# KiCad board Beacon_Multiboard.kicad_pcb (continued)
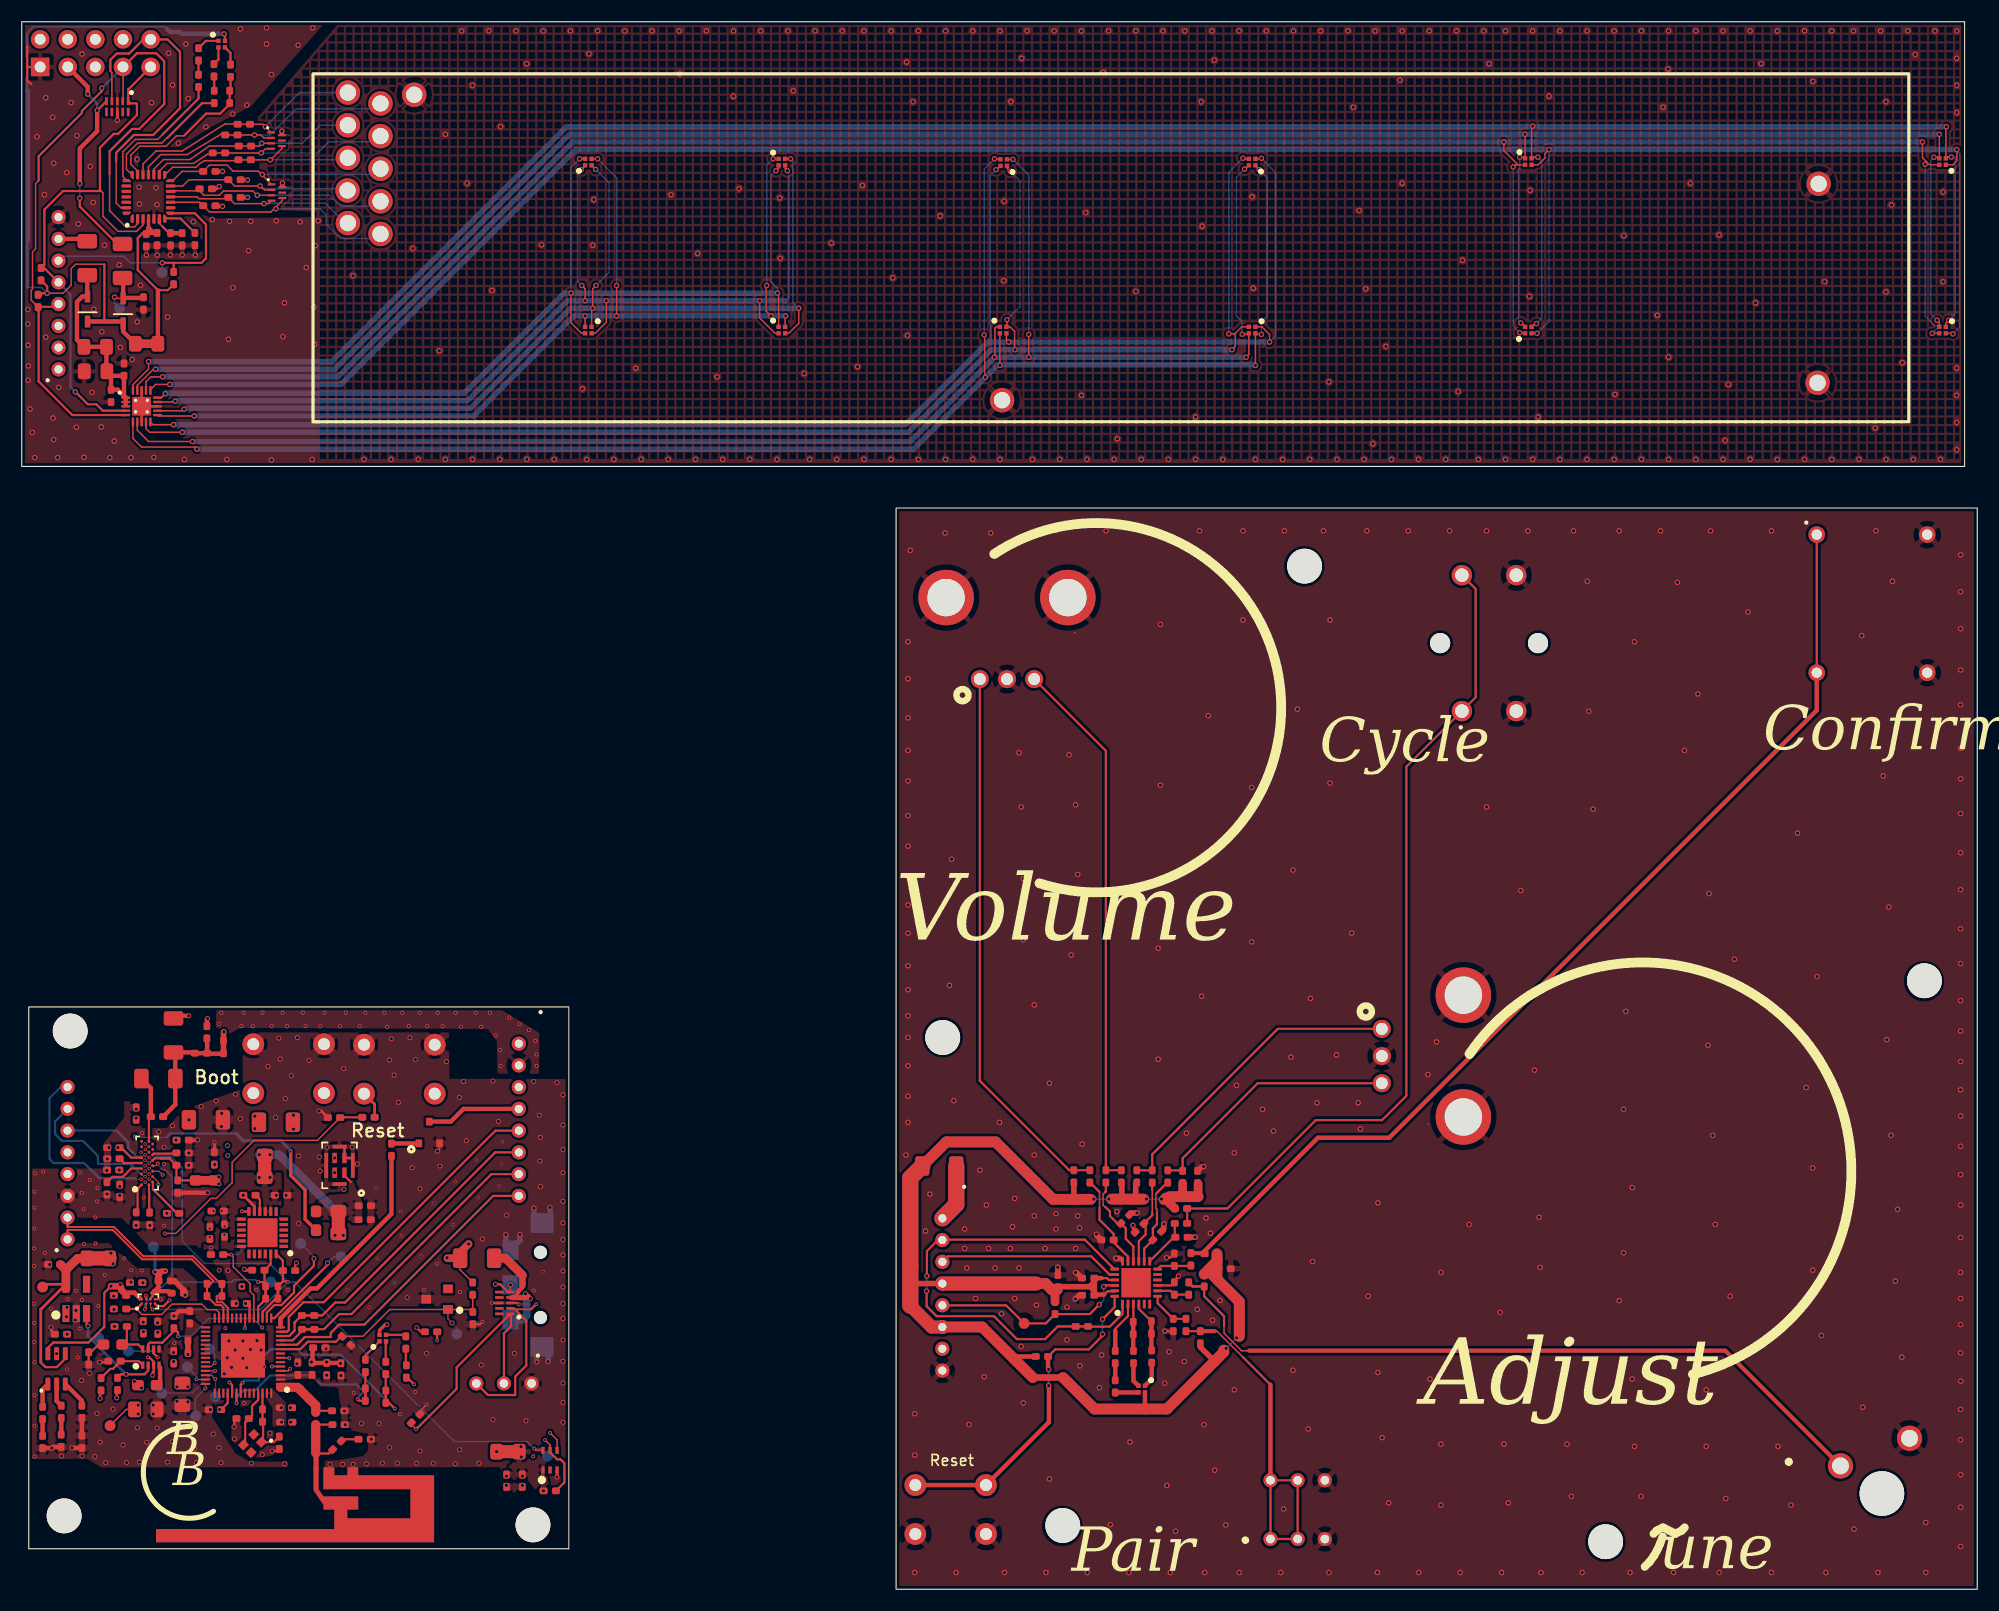
[diagram p0: board, top side]
## Routing (per net, layer and track width the routed paths; a pad name or vN(x,y) marks a point on that pad's centre or on a via; arc(x,y) is an arc through that point) (continued)
/Fret_Assembly/BLED: length 12.8
  Top w0.13: 12.95,133.8 12.5,133.34 10.44,133.34 9.3,132.2 9.3,129.93 U402.22
  Top w0.2: R408.1 16.26,137.1 12.95,133.8
/Fret_Assembly/GLED: length 12.1
  Top w0.127: U402.21 9.63,130.59 9.63,131.97 10.66,133 12.87,133 13.34,133.47
  Top w0.2: R406.1 16.59,136.67 13.39,133.47
/Fret_Assembly/I2C1_SCLK: length 51.7
  Top w0.13: 7.29,128.59 7.47,128.41 7.47,126.28 8.87,124.88 10.55,124.88 11.16,125.48 U402.3
  Top w0.2: v1(4.93,110.12) 6.07,108.98 6.86,108.98 7.45,108.39 U401.4 ; J102.5 2.06,121.51 R401.1 2.08,121.82 2.08,126.89 3.78,128.59 7.29,128.59 7.19,128.69 7.19,132.58 8.46,133.85 8.87,133.85 10.59,135.57 10.59,136.59 10.53,136.65 10,136.65 D415.1 9.79,137.92 11.86,139.99
  Bottom w0.2: v1(4.93,110.12) 4.47,110.58 4.47,119.1 J102.5
/Fret_Assembly/I2C1_SDA: length 71.6
  Top w0.13: U402.2 10.66,125.58 10.36,125.29 9.58,125.29 8.08,126.79 8.08,130.19 ; 1.55,129.55 1.27,129.27 1.27,123.28 0.99,123 0.99,119.58 0.87,119.46 0.87,118.54 R402.1 ; 9.32,139.99 9.32,136.89 D415.2
  Top w0.2: U401.5 4.65,107.99 1.55,111.09 1.55,117.71 1.78,117.94 3.13,117.94 J102.4 ; v1(7.37,138.06) 7.37,137.78 5.54,135.95 5.54,135.78 1.55,131.79 1.55,129.55 ; 9.32,139.99 10.59,141.26 12.37,141.26 13.11,140.53 13.11,136.59 10.82,134.3 10.14,134.3 8.08,132.25 8.08,130.19
  Bottom w0.2: 9.32,139.99 7.39,138.06 v1(7.37,138.06)
/Fret_Assembly/LEDA1: length 152.2
  Top w0.13: D401.3 89.51,131.5 v1(89.46,131.55) ; v1(16.11,104.85) 15.93,105.04 11.03,105.04 10.23,105.84 U401.6 ; v1(114.01,115.4) 113.56,115.4 D404.4 v1(113.46,112.55) ; v1(88.51,115.35) 88.56,115.3 88.56,111.5 v1(88.61,111.45) ; D403.1 113.46,130.9 v1(113.81,130.55) ; D402.2 v1(89.96,112.55)
  Bottom w0.13: v1(113.81,130.55) 114.56,129.8 114.56,117.1 114.01,116.55 v1(114.01,115.4) ; v1(89.46,131.55) 88.51,130.6 v1(88.51,115.35)
  Bottom w0.5: v1(113.46,112.55) 113.41,112.6 89.76,112.6 v1(88.61,111.45) 82.01,104.85 v1(16.11,104.85)
/Fret_Assembly/LEDA2: length 148.2
  Top w0.13: v1(89.45,113.3) 89.51,113.36 89.51,115.02 89.5,115.04 89.5,115.97 89.63,116.1 D402.1 ; v1(112.46,130.6) 112.51,130.6 D403.4 ; v1(112.61,113.3) 112.86,113.55 D404.3 112.77,115.42 v1(112.25,115.42) ; v1(92.61,115.4) v1(92.61,113.3) ; v1(15.71,105.55) 11.66,105.55 10.63,106.59 U401.7 ; D401.2 v1(91.16,131.5)
  Bottom w0.13: v1(92.61,115.4) 92.61,130.05 v1(91.16,131.5) ; v1(112.46,130.6) 111.71,129.85 111.71,117.1 112.21,116.6 112.21,115.45 v1(112.25,115.42)
  Bottom w0.5: v1(112.61,113.3) 89.45,113.3 81.7,105.55 v1(15.71,105.55)
/Fret_Assembly/LEDA3: length 143.2
  Top w0.13: v1(112.31,131.6) 112.36,131.55 D403.3 ; v1(90.91,130.4) 90.61,130.7 D401.1 ; v1(91.36,114) 91.31,114.05 91.31,115.68 90.89,116.1 D402.4 90.61,116.15 v1(90.61,116.75) ; v1(14.76,106.4) 11.76,106.4 11.43,106.74 U401.9 ; 111.61,115.5 111.56,115.45 v1(111.01,115.45) ; 111.61,115.5 111.61,114.3 v1(111.31,114) ; 111.61,115.5 112.21,116.1 D404.2
  Bottom w0.13: v1(90.61,116.75) 91.81,117.95 91.81,129.5 v1(90.91,130.4) ; v1(111.01,115.45) 111.01,130.3 v1(112.31,131.6)
  Bottom w0.5: v1(14.76,106.4) 81.56,106.4 89.16,114 v1(111.31,114)
/Fret_Assembly/LEDA4: length 144.2
  Top w0.13: v1(114.76,114.7) 114.76,115.4 114.06,116.1 D404.1 ; D402.3 90.56,114.9 v1(90.76,114.7) ; D403.2 113.96,131.55 v1(114.01,131.6) ; v1(89.61,130.55) 89.66,130.55 D401.4 ; v1(13.96,107.1) 12.08,107.1 U401.10
  Bottom w0.13: v1(114.01,131.6) 115.31,130.3 115.31,115.25 v1(114.76,114.7) ; 89.11,114.7 89.11,116.4 89.06,116.45 89.06,130 v1(89.61,130.55)
  Bottom w0.5: v1(114.76,114.7) 88.86,114.7 81.26,107.1 v1(13.96,107.1)
/Fret_Assembly/LEDB1: length 94.8
  Top w0.13: D405.3 v1(52.96,131.55) ; D408.4 70.21,117.05 v1(70.26,117.1) ; D406.2 v1(51.81,117.1) ; U401.11 12.57,107.9 v1(15.86,107.9) ; v1(54.71,119.9) v1(54.71,117.1) ; D407.1 v1(69.11,131.55) ; v1(68.51,119.9) 68.46,119.85 68.46,117.54 v1(68.9,117.1)
  Bottom w0.13: v1(68.51,119.9) 68.51,130.95 v1(69.11,131.55) ; v1(54.71,119.9) 54.71,129.8 v1(52.96,131.55)
  Bottom w0.5: v1(70.26,117.1) 50.76,117.1 41.56,107.9 v1(15.86,107.9)
/Fret_Assembly/LEDB2: length 96.8
  Top w0.13: U401.12 14.8,108.39 v1(14.94,108.53) ; v1(52.81,119.9) 52.51,119.6 v1(52.51,117.8) 52.41,117.7 D406.1 ; D408.3 70.54,115.5 71.46,116.42 v1(71.46,117.8) ; v1(70.71,131.55) D407.4 ; v1(52.79,130.58) D405.2
  Bottom w0.13: v1(52.81,119.9) 54.01,121.1 54.01,129.35 v1(52.79,130.58) ; v1(70.71,131.55) 70.93,131.34 70.93,118.34 71.56,117.7
  Bottom w0.5: v1(14.94,108.53) 15.01,108.6 41.27,108.6 50.47,117.8 v1(71.46,117.8)
/Fret_Assembly/LEDB3: length 95.1
  Top w0.13: v1(51.46,130.55) 51.81,130.9 D405.1 ; v1(51.51,119.9) 51.81,119.6 v1(51.81,118.5) ; D408.2 69.28,115.5 67.86,116.92 v1(67.86,118.5) ; D407.3 70.21,130.65 v1(70.41,130.45) ; U401.14 14.05,109.19 v1(14.11,109.25) ; D406.4 52.74,115.5 53.76,116.52 v1(53.76,118.5)
  Bottom w0.13: v1(51.46,130.55) 51.11,130.2 51.11,120.3 v1(51.51,119.9) ; 70.26,118.5 70.56,118.8 70.56,130.3 v1(70.41,130.45)
  Bottom w0.5: 70.26,118.5 50.18,118.5 40.98,109.3 14.16,109.3 v1(14.11,109.25)
/Fret_Assembly/LEDB4: length 94.1
  Top w0.13: v1(13.21,109.95) 12.85,109.59 U401.15 ; v1(69.51,119.2) 69.61,119.1 D408.1 ; D407.2 69.61,130.7 v1(69.36,130.45) ; v1(50.51,119.2) 50.51,116.47 51.48,115.5 D406.3 ; v1(51.31,131.55) D405.4
  Bottom w0.13: v1(51.31,131.55) 50.51,130.75 v1(50.51,119.2) ; v1(69.51,119.2) 69.51,119.63 68.91,120.23 68.91,130 v1(69.36,130.45)
  Bottom w0.5: v1(13.21,109.95) 13.26,110 40.69,110 49.89,119.2 v1(69.51,119.2)
/Fret_Assembly/LEDC1: length 215.8
  Top w0.13: v1(140.46,132.4) 140.09,132.03 140.09,131.63 139.46,131 D409.3 ; v1(177.61,115.45) 177.56,115.5 D412.4 ; v1(139.36,115.5) D410.2 ; v1(177.96,132.4) 177.98,132.39 177.98,131.37 177.61,131 D411.1 ; U401.16 11.83,110.32 12.31,110.8 v1(13.61,110.8)
  Bottom w0.13: v1(140.46,132.4) 140.46,116.6 v1(139.36,115.5) ; v1(177.61,115.45) 178.21,116.05 178.21,132.1 177.96,132.35 v1(177.96,132.4)
  Bottom w0.5: v1(177.96,132.4) 50.96,132.4 29.36,110.8 v1(13.61,110.8)
/Fret_Assembly/LEDC2: length 214
  Top w0.13: v1(175.06,131.05) 175.06,131.2 175.16,131.3 ; U401.17 11.43,111.05 11.88,111.5 v1(12.96,111.5) ; 175.16,131.3 175.46,131 D411.4 ; 175.16,131.3 174.81,131.65 v1(174.81,133.1) ; 137.61,131 136.31,132.3 v1(136.31,133.1) ; 137.61,131 137.36,131 v1(137.16,130.8) ; 137.61,131 D409.2 ; D412.3 v1(175.71,115.5) ; v1(137.76,115.55) 137.81,115.5 D410.1
  Bottom w0.13: v1(137.16,130.8) 137.16,116.15 v1(137.76,115.55) ; v1(175.06,131.05) 175.06,117.08 175.95,116.19 176.4,116.19 v1(175.71,115.5)
  Bottom w0.5: v1(174.81,133.1) 50.67,133.1 29.07,111.5 v1(12.96,111.5)
/Fret_Assembly/LEDC3: length 213.2
  Top w0.13: v1(137.86,116.45) 137.91,116.45 D410.4 ; v1(12.31,112.2) 12.11,112.2 10.63,110.72 U401.19 ; v1(176.16,116.7) 176.36,116.5 D412.2 ; v1(175.86,131.7) 176.26,131.7 D411.3 v1(176.36,133.8) ; v1(138.26,133.8) D409.1 138.16,131.7 v1(137.76,131.7)
  Bottom w0.13: v1(137.86,116.45) 137.66,116.65 137.66,130.58 137.76,130.68 v1(137.76,131.7) ; v1(176.16,116.7) 175.56,117.3 175.56,130.83 175.58,130.84 175.58,131.27 175.56,131.28 175.56,131.4 v1(175.86,131.7)
  Bottom w0.5: v1(12.31,112.2) 28.78,112.2 50.38,133.8 v1(176.36,133.8)
/Fret_Assembly/LEDC4: length 217.2
  Top w0.13: U401.20 10.23,110.79 11.66,112.22 v1(11.66,112.9) ; v1(177.01,134.5) 176.96,134.45 D411.2 177.06,131.7 v1(177.46,131.7) ; v1(138.96,134.55) 138.86,134.45 D409.4 138.96,131.7 v1(139.44,131.7) ; v1(139.31,116.4) 139.16,116.4 D410.3 ; v1(177.21,116.7) 176.96,116.45 D412.1
  Bottom w0.13: v1(177.21,116.7) 177.81,117.3 177.81,131.7 v1(177.46,131.7) ; v1(139.44,131.7) 139.72,131.42 139.72,131.27 139.81,131.18 139.81,116.9 v1(139.31,116.4)
  Bottom w0.5: v1(11.66,112.9) 28.49,112.9 50.09,134.5 v1(177.01,134.5)
/Fret_Assembly/RLED: length 15.6
  Top w0.13: U402.20 10.65,130.43 10.03,131.05 10.03,131.89 10.85,132.7 13.26,132.7 14.22,133.66 14.92,133.66
  Top w0.2: R403.1 19.2,137.88 J409.2 J409.1 19.13,136.59 18.25,135.71 16.96,135.71 14.92,133.66
/Fret_Assembly/RX0: length 22.7
  Top w0.13: D418.5 23.97,127.72 22.92,126.67 17.26,126.67 C406.2 16.38,127.55 U402.10
  Bottom w0.13: H411.1 32.58,124.22 29.31,124.22 28.01,125.52 28.01,126.37 27.42,126.96 v1(23.37,126.96)
/Fret_Assembly/RX1: length 18.2
  Top w0.13: U402.11 16.13,128.05 16.29,127.89 18.88,127.89 C410.2 19.57,127.43 v1(22.28,127.43) 22.7,127.43 D418.4
  Bottom w0.13: H413.1 29.72,125.64 27.89,127.48 22.32,127.48 v1(22.28,127.43)
/Fret_Assembly/RX2: length 22
  Top w0.13: D418.3 v1(21.66,128.2) 21.27,128.59 18.55,128.59 18.16,128.2 16.76,128.2 16.36,128.6 C411.2 16.13,128.79 15.95,128.61 13.75,128.61 U402.12
  Bottom w0.13: H415.1 32.54,127.18 29.32,127.18 28.31,128.2 v1(21.66,128.2)
/Fret_Assembly/RX3: length 18.1
  Top w0.13: D418.2 22.33,128.7 21.97,129.06 v1(21.92,129.06) 19.57,129.06 C412.2 15.38,129.63 14.8,129.05 U402.13
  Bottom w0.13: H417.1 29.8,128.81 22.17,128.81 v1(21.92,129.06)
/Fret_Assembly/RX4: length 21.7
  Top w0.13: U402.14 13.91,129.56 14.74,130.39 C413.2 17.26,130.97 18.89,130.97 19.44,130.42 21.75,130.42 D418.1
  Bottom w0.13: v1(22.12,130.11) 32.46,130.11 H423.1
/Fret_Assembly/TOUCH_INT: length 23
  Top w0.2: R409.2 13.97,121.98 ; 13.97,121.98 16.54,121.98 16.94,122.39 16.94,125.52 15.91,126.55 U402.8 ; 13.97,121.98 v1(12.93,121.98)
  Bottom w0.13: J102.6 3.79,122.59 9.37,122.59 9.98,121.98 v1(12.93,121.98) 12.93,121.16 TP401.1 12.88,120.89
/Fret_Assembly/TOUCH_PROGM: length 30
  Top w0.13: 8.69,131.31 8.69,127.48 9.12,127.05 U402.27 ; D415.4 8.29,139.48 8.15,139.61
  Top w0.2: 8.69,131.31 8.69,132.12 10.31,133.75 12.09,133.75 14.55,136.21 14.55,141.39 13.41,142.53 11.18,142.53 9.88,141.24 8.73,141.24 8.15,140.66 8.15,139.61
/Fret_Assembly/TX0: length 23.2
  Top w0.13: U402.19 11.15,131.08 12.34,132.27 14.77,132.27 14.8,132.3 18.69,134.76 19.83,134.76 J402.1 J402.2 22.17,134.74 D416.1
  Bottom w0.13: v1(22.4,134.51) 25.54,137.64 H401.1
/Fret_Assembly/TX1: length 25.9
  Top w0.13: 15.21,131.94 18.3,133.8 18.65,133.8 J403.1 J403.2 v1(21.41,133.74) 22,133.74 22.26,133.48 D416.2 ; U402.18 11.65,130.82 12.78,131.94 15.22,131.94
  Bottom w0.13: v1(21.41,133.74) 22.84,133.74 25.24,136.14 32.5,136.14 H402.1
/Fret_Assembly/TX2: length 20.7
  Top w0.13: U402.17 12.15,130.61 13.03,131.48 15.47,131.48 17.24,132.73 J405.1 J405.2 21.82,132.73 22.07,132.98 v1(22.07,132.98) D416.3
  Bottom w0.13: H403.1 27.47,134.64 25.81,132.98 v1(22.07,132.98)
/Fret_Assembly/TX3: length 23
  Top w0.13: U402.16 12.65,130.43 13.35,131.13 15.8,131.13 17.09,131.98 17.45,131.98 J406.1 J406.2 v1(22.02,132.09) 22.41,132.48 D416.4
  Bottom w0.13: H404.1 32.48,133.12 28.24,133.12 27.21,132.09 v1(22.02,132.09)
/Fret_Assembly/TX4: length 19.2
  Top w0.13: U402.15 13.87,130.77 16.03,130.77 16.35,131.09 16.79,131.38 19.86,131.38 J407.1 J407.2 v1(22.86,131.46) 22.89,131.46 23.93,132.5 D416.5
  Bottom w0.13: H405.1 29.83,131.47 22.88,131.47 v1(22.86,131.46)
/Main_Board/AMB_INT: length 33.4
  Top w0.13: U1101.5 48.59,13.27 v3(48.13,13.72) ; v3(24.61,21.24) 24.56,21.29 U701.7
  Top w0.2: R1101.1 49.9,9.82 49.9,11.6 49.55,11.94 49.24,11.94 48.59,12.59 U1101.5
  In2.Cu w0.13: v3(48.13,13.72) 35.99,13.72 29.51,20.2 26.51,20.2 25.47,21.24 v3(24.61,21.24)
/Main_Board/AUDIO_GND_SEN: length 13.1
  Bottom w0.09: v5(11.35,37.95) 11.24,38.06 11.07,38.06 10.82,38.31
  Bottom w0.2: J106.7 3.07,43.04 3.07,41.87 3.71,41.23 5.63,41.23 7.01,39.86 7.01,39.2 7.08,39.12 10,39.12 10.82,38.31
/Main_Board/AUDIO_HP: length 16.8
  Bottom w0.09: v5(10.97,37.69) 10.54,37.69 10.44,37.8
  Bottom w0.2: J106.8 3.58,46.18 2.56,45.17 2.56,39.58 2.94,39.2 5.74,39.2 7.13,37.8 10.44,37.8
/Main_Board/AUDIO_PU: length 43.1
  Top w0.25: J605.2 17.1,49.25 ; 15.84,49.37 J605.1
  Top w0.4: C610.1 14.13,49.2 C607.2 14.13,44.58 C608.2 ; C610.1 15.84,49.37 ; C610.1 14.03,49.3 ; 17.05,50.63 J605.2 J605.1 ; 17.1,49.25 18.56,49.25
  Top w0.5: v2(18.59,51.28) 18.56,51.24 J604.2 J604.1
  In2.Cu w0.3: 43.46,52.43 19.77,52.43
  In2.Cu w0.4: 19.77,52.43 18.62,51.28 v2(18.59,51.28) ; J101.1 43.46,52.43
/Main_Board/AUDIO_SP: length 8.5
  Bottom w0.09: 10.44,39.94 10.54,39.83 11.23,39.83 v5(11.35,39.95)
  Bottom w0.2: 10.44,39.94 9.8,40.57 9.8,41.1 8.72,42.18 J106.6
/Main_Board/BAT_MEASURE: length 23.6
  Top w0.09: v2(39.57,24.49) 39.2,24.86 D503.1
  Top w0.13: R509.1 41.48,25.51 R510.2 41.26,25.73 D503.1 33.85,25.73 31.38,23.26 C508.2
  Top w0.2: 29.42,23.3 28.89,22.76 26.31,22.76 25.63,22.09 U701.9
  Bottom w0.09: v2(39.57,24.49) 40.01,24.05 TP505.1 39.88,23.34
/Main_Board/BAT_NINT: length 10.7
  Top w0.13: U701.27 18.15,25.45 17.88,25.71 17.07,25.71 16.56,26.22 13.81,26.22 12.87,25.27 11.06,25.27 10.55,25.78
  Top w0.2: R507.1 10.55,25.78 PS502.A1
/Main_Board/I2C0_SCLK: length 67.3
  Top w0.09: U601.D8 12.32,38.95 v3(12.52,39.15) ; PS502.B1 11.45,25.86 v3(11.33,25.74)
  Top w0.13: v3(48.59,14.38) 49.24,13.73 U1101.4
  Top w0.2: 22.43,27.9 22.39,27.9 22.33,27.96 22.33,28.25 ; 22.33,28.25 v3(21.74,28.25) ; 22.33,28.25 R701.1 22.9,29.92 U1001.23 ; U701.18 21.75,25.99 22.43,26.67
  Top w0.25: J703.2 J703.1
  In2.Cu w0.13: v3(48.59,14.38) 48.56,14.41 37.54,14.41 25.45,26.5 23.49,26.5 v3(21.74,28.25)
  Bottom w0.09: v3(12.52,39.15) 12.52,38.98 12.91,38.59 12.98,38.59
  Bottom w0.11: 12.98,38.59 13.18,38.59
  Bottom w0.13: 13.84,28.25 13.84,37.93 13.18,38.59 ; 13.84,28.25 13.36,28.25 11.33,26.22 v3(11.33,25.74) ; 13.84,28.25 19.31,28.25 19.5,28.45 21.54,28.45 v3(21.74,28.25) TP708.1
/Main_Board/I2C0_SDA: length 74.7
  Top w0.09: PS502.C1 11.85,25.93 v3(12.04,25.74)
  Top w0.13: v3(47.14,12.93) 47.3,12.77 U1101.6
  Top w0.2: v3(24.48,28.25) 24.42,28.31 24.02,28.31 ; 23.57,26.67 23.3,26.67 22.15,25.52 U701.17 ; 24.02,28.31 23.6,27.9 23.57,27.9 ; 24.02,28.31 R702.1 24.02,30.22 U1001.24
  Top w0.25: J704.2 J704.1
  Bottom w0.13: v3(24.48,28.25) 22.78,29.95 16.81,29.95 14.75,32.01 14.75,38.77 13.71,39.81 12.37,39.81 11.76,39.2 ; v3(24.48,28.25) 25.12,28.25 39.77,13.6 46.48,13.6 v3(47.14,12.93) 47.67,12.93 TP709.1 ; v3(24.48,28.25) 21.97,25.74 v3(12.04,25.74)
  vias: v5(11.72,39.2)
/Main_Board/I2C1_BCLK: length 19.4
  Top w0.2: U701.15 23.23,24.94 28.12,29.82 v2(28.12,30)
  In2.Cu w0.2: v2(28.78,39.66) 29.51,38.93 29.51,37.8 28.12,36.4 v2(28.12,30)
  Bottom w0.13: TP702.1 28.7,30.59 v2(28.12,30)
/Main_Board/I2C1_MISO: length 18.3
  Top w0.2: v2(26.87,30.41) 26.87,29.75 25.04,27.92 25.04,27.3 23.88,26.14 23.25,26.14 23.24,26.15 22.55,25.45 U701.16
  In2.Cu w0.2: v2(28.78,38.31) 28.75,38.31 26.87,36.43 v2(26.87,30.41)
  Bottom w0.13: TP704.1 26.87,30.59 v2(26.87,30.41)
/Main_Board/I2C1_SCLK: length 29.3
  Top w0.2: J101.6 43.55,40.18 29.74,26.37 28.83,26.37 27.65,25.2 26.96,25.2 ; 25.74,25.18 25.09,24.54 25.09,23.78 24.61,23.3 24.43,23.3 24.42,23.29 U701.12
  Top w0.25: J705.2 J705.1
/Main_Board/I2C1_SDA: length 28.3
  Top w0.2: U701.11 24.91,22.89 25.74,23.72 25.74,23.91 ; 26.97,23.92 27.8,23.92 29.18,25.3 30.32,25.3 43.2,38.18 J101.7
  Top w0.25: J706.1 J706.2
/Main_Board/I2S0_BCLK: length 25.4
  Top w0.09: U701.42 16.9,18.48 v3(16.89,18.47) ; v3(12.57,37.22) 12.57,37.43 12.05,37.95 U601.D4
  In2.Cu w0.09: v3(16.89,18.47) 16.28,18.47 15.47,19.28 15.47,20.66 15.77,20.96 15.77,27.18 14.04,28.91 14.04,35.74 v3(12.57,37.22)
  Bottom w0.13: TP705.1 15.95,16.01 15.95,17.53 v3(16.89,18.47)
/Main_Board/I2S0_MCLK: length 24.9
  Top w0.09: U701.38 17.42,20.49 v3(17.75,20.82)
  In2.Cu w0.09: U601.C11 13.42,39.7 16.38,36.73 16.38,30.33 17.83,28.89 17.83,20.9 v3(17.75,20.82)
  Bottom w0.13: v3(17.75,20.82) 17.75,21.62 TP701.1
  vias: v5(11.73,39.7)
/Main_Board/I2S0_MISO: length 28.6
  Top w0.09: v3(17.78,20.08) 17.77,20.09 U701.39
  In2.Cu w0.09: v3(17.78,20.08) 17.29,20.57 17.29,28.52 15.8,30.02 15.8,36.09 13.19,38.7 U601.C7
  Bottom w0.09: TP706.1 15.67,18.04 17.71,20.08 v3(17.78,20.08)
  vias: v5(11.73,38.7)
/Main_Board/I2S0_MOSI: length 23.5
  Top w0.09: U701.41 16.1,19.29 v3(16.08,19.31)
  In2.Cu w0.09: U601.C5 12.23,38.2 14.58,35.85 14.58,29.27 16.3,27.54 16.3,20.58 16.08,20.35 v3(16.08,19.31)
  Bottom w0.13: TP707.1 16.08,19.59 v3(16.08,19.31)
  vias: v5(11.73,38.2)
/Main_Board/I2S0_WCLK: length 24.5
  Top w0.09: v3(12.96,38.11) 12.62,38.45 U601.D6 ; v3(17.8,19.35) 17.46,19.69 U701.40
  In2.Cu w0.09: v3(17.8,19.35) 16.79,20.36 16.79,28.01 15.21,29.58 15.21,35.86 v3(12.96,38.11)
  Bottom w0.13: TP703.1 17.83,19.32 v3(17.8,19.35)
/Main_Board/IMU_INT: length 15.7
  Top w0.13: U701.19 21.35,27.04 21,27.39 21,28.1 19.45,29.65 19.45,30.6 v3(19.28,30.78)
  Top w0.2: v3(20.24,34.77) 20.27,34.74 U1001.12 ; v3(19.28,30.78) R1001.2
  In2.Cu w0.2: v3(20.24,34.77) 20.24,32.63 19.28,31.67 v3(19.28,30.78)
  Bottom w0.09: v3(19.28,30.78) 19.9,30.78 TP1001.1
/Main_Board/MCU/uC_XTAL_N: length 5.1
  Top w0.2: U701.53 21.75,17.41 21.18,16.85 21.18,15.99 C711.2 20.55,15.36 20.55,13.4
/Main_Board/MCU/uC_XTAL_P: length 6.5
  Top w0.2: 22.05,13.51 22.15,13.61 ; C710.2 23.18,13.53 22.07,13.53 22.2,13.66 22.2,15.36 J702.2 J702.1 ; U701.54 22.15,16.56
/Main_Board/Regulators/BAT_P: length 60.6
  Top w0.13: R509.2 40.32,29.37 F501.2 40.32,30.98 ; 12.88,29.27 12.76,29.15 12.73,29.18 ; 39.15,30.45 v2(39.11,30.49)
  Top w0.2: PS502.C2 11.85,26.77 12.04,26.96 12.04,27.25
  Top w0.4: 12.58,28.32 12.58,27.79 12.04,27.25 12.2,27.41 13.5,27.41 13.78,27.13
  Top w0.5: 12.73,29.18 v2(12.25,29.18) ; 12.88,29.27 v3(13.21,29.27)
  Top w0.6: 12.76,29.15 12.58,28.97 C506.2
  Top w0.7: 40.32,30.98 v2(41.09,31.76) ; F501.2 39.15,30.45
  In2.Cu w0.6: v2(41.09,31.76) 40.38,31.76 39.95,31.32 ; v2(39.11,30.49) 39.95,31.32 ; 39.95,31.32 32.18,39.1 32.18,40.8 31.26,41.71 26.85,41.71 26.18,41.05 19.68,41.05 19,40.37 18.92,40.44 v2(18.92,40.8) 18.95,40.77 v2(18.95,39.88)
  In3.Cu w0.09: 12.34,29.27 v2(12.25,29.18)
  In3.Cu w0.13: 18.92,39.91 v2(18.95,39.88)
  In3.Cu w0.6: 18.97,40.32 17.52,40.32 16.43,39.22 16.43,38.28 15.64,37.5 15.64,31.71 v3(13.21,29.27) ; v2(18.92,40.8) 18.92,39.91
  In3.Cu w1: v3(13.21,29.27) 12.34,29.27
  Bottom w0.25: TP503.1 12.25,31.34 v2(12.25,29.18)
/Main_Board/Regulators/BAT_TS: length 36
  Top w0.13: D507.5 44.93,27.97 v2(44.95,27.99)
  Top w0.2: v3(13.59,26.57) 13.05,26.04 12.48,26.04 PS502.D1 ; v2(43.56,28.05) 44.02,28.05 44.73,27.33 D507.5
  In2.Cu w0.2: v2(18.16,29.34) 18.77,28.73 20.85,28.73 21.28,29.17 42.44,29.17 v2(43.56,28.05)
  In3.Cu w0.2: v3(13.59,26.57) 16.35,29.34 v2(18.16,29.34)
/Main_Board/Regulators/MODE: length 3.9
  Top w0.2: R502.1 9.67,22.94 R504.2 10.7,22.51 PS501.8
/Main_Board/Regulators/SYS_PWR: length 37.3
  Top w0.2: R506.2 36.7,23.68 v2(36.32,24.06) ; v3(12.49,21.33) 12.13,21.7 PS501.6 ; PS502.B2 11.45,26.95 v3(11.4,26.99)
  In2.Cu w0.13: v3(18.72,24.01) 18.72,26.5 19.38,27.16 19.38,27.87 19.94,28.43 21.23,28.43 21.51,28.71 31.67,28.71 v2(36.32,24.06)
  In3.Cu w0.13: v3(12.49,21.33) 12.49,20.99 13.46,20.02 15.19,20.02 18.72,23.55 v3(18.72,24.01)
  Bottom w0.13: v3(12.49,21.33) 11.92,21.9 TP502.1
  vias: v2(8.53,24.17) v2(11.15,28.19) v2(11.19,23.69) v2(12.51,23.64)
/Main_Board/Regulators/VSET: length 4.6
  Top w0.2: PS501.1 10.75,20.98 R503.2 8.38,20.26 8.13,20.26 R501.1
/Main_Board/STAT_B: length 18.9
  Top w0.2: U701.48 19.75,18.03 v3(19.75,17.12) ; v3(30.9,17.47) 31.04,17.34 J802.2 ; 31.6,18.49 31.6,18.49 R805.1
  Top w0.25: J802.1 J802.2
  Bottom w0.2: v3(30.9,17.47) 30.9,17.6 31.45,18.15 30.75,18.85 27.5,18.85 26.68,19.67 22.85,19.67 21.48,18.3 20.43,18.3 19.75,17.62 v3(19.75,17.12)
/Main_Board/STAT_G: length 23.3
  Top w0.2: 33.48,18.29 33.47,18.29 R803.1 ; U701.49 20.15,18.84 v3(20.3,19) ; v3(34.3,16.62) 33.79,17.14 J801.2
  Top w0.25: J801.1 J801.2
  Bottom w0.2: v3(20.3,19) 20.5,19.2 21.8,19.2 21.8,20.97 22.9,22.07 25.33,22.07 25.83,21.57 29.35,21.57 v3(34.3,16.62)
/Main_Board/STAT_R: length 19.7
  Top w0.2: v3(19.1,19.02) 19.35,18.78 U701.47 ; R802.1 35.46,19.46 v3(36.08,18.85)
  In3.Cu w0.2: v3(19.1,19.02) 19.75,19.67 26.75,19.67 27.63,18.8 29.73,18.8 29.78,18.85 v3(36.08,18.85)
/Main_Board/TACT_NINT: length 27.8
  Top w0.2: J101.8 43.36,36.18 31.52,24.34 29.18,24.34 28.42,23.58 28.42,23.2 26.03,23.2 25.32,22.49 U701.10
/Main_Board/TACT_VIBRT: length 20.3
  Top w0.09: U701.14 23.8,24.16
  Top w0.4: 23.8,24.7 23.8,24.9 26.57,27.67 27.15,27.67 34,34.51 34,39.01 ; 23.8,24.64 23.8,24.16 ; R1301.1 34,39.04
/Main_Board/TACT_VIBRT_EXT: length 8.7
  Top w0.4: Q1301.D 39.46,43.01 40.63,44.18 J101.4
/Main_Board/TOUCH_INT: length 30.3
  Top w0.2: U701.13 24.42,23.69 24.56,23.82 24.56,25.05 25.91,26.4 27.78,26.4 43.57,42.18 J101.5
/Main_Board/uC_BOOT: length 35.4
  Top w0.13: v3(23,20.49) U701.5
  In3.Cu w0.13: 21.32,46.56 27.82,46.56 26.31,45.05 26.31,36.18 23.01,32.87 23.01,20.5 v3(23,20.49)
/Main_Board/uC_EN: length 39.5
  Top w0.13: U701.4 24.5,20.09 v3(24.69,20.28)
  Top w0.25: R804.1 32.45,44.61 SW802.1
  In3.Cu w0.13: 37.94,46.5 31.44,46.5 31.44,30.38 24.18,23.12 24.18,20.78 v3(24.69,20.28)
/Main_Board/uC_LNA: length 6.3
  Top w0.2: L801.2 27.17,16.41 C803.2
  Top w0.25: 25.37,18.57 25.06,18.57
  Top w0.84: 25.37,18.57 J804.2 J804.1 27.04,16.91 L801.2 ; 25.06,18.57 23.8,18.57 ; 25.45,18.5 25.54,18.4
/Main_Board/USB_DN: length 21.5
  Top w0.09: 18.3,28.08 J1609.1
  Top w0.178: U701.25 18.95,25.89 18.43,26.4 17.96,26.4 17.93,26.44 17.93,26.93 17.94,26.94 J1609.2 J1609.1 ; 18.3,28.08 15.75,30.63 11.18,30.63 8.49,33.32 4.26,33.32
  Top w0.2: J106.2 4.21,33.37 4.25,33.33 4.26,33.33
/Main_Board/USB_DP: length 21
  Top w0.178: 17.36,28.09 17.63,28.36 15.64,30.35 11.06,30.35 8.37,33.04 4.26,33.04 ; J1610.1 J1610.2 17.04,26.95 17.85,26.14 18.32,26.14 18.55,25.91 18.55,24.91
  Top w0.2: J106.1 4.21,32.99 4.26,33.04 ; 17.36,28.09 J1610.1
/Tactile_Board/I2C1_SCLK: length 45.1
  Top w0.2: U1501.1 101.24,25.32 100.06,24.15 98.09,24.15 J1501.2 J1501.1 95.29,24.17 94.12,23 91.53,23 89.42,25.11 84.14,25.11 83.22,26.03 v1(83.22,27.42) ; v1(83.25,28.81) 83.25,31.11 84.26,32.12 J104.2 84.7,32.15 97.78,32.15 100.48,29.44 U1501.19
  Bottom w0.2: v1(83.25,28.81) 83.22,28.79 v1(83.22,27.42)
/Tactile_Board/I2C1_SDA: length 16.8
  Top w0.2: J104.3 85.18,30.62 98.36,30.62 100.04,28.94 U1501.20
/Tactile_Board/IO_Expander/TACT_B: length 4.7
  Top w0.2: J1503.2 103.9,24.64 102.74,25.8 U1501.4 ; 103.9,22 R1506.1
  Top w0.4: 103.9,22 J1503.1 J1503.2
/Tactile_Board/IO_Expander/TACT_CONFIRM: length 3.2
  Top w0.2: U1501.12 104.75,29.73 C1402.2 107.49,29.73 R1406.2
/Tactile_Board/IO_Expander/TACT_CYCLE: length 4.6
  Top w0.2: R1405.2 106.05,32.43 C1401.2 105.95,32.38 U1501.13
/Tactile_Board/IO_Expander/TACT_EQZR_A: length 7.9
  Top w0.13: 103.97,36.74 103.97,34.64
  Top w0.2: 103.97,34.64 103.97,34.41 C1407.2 103.36,33.48 103.36,32.63 102.74,32.01 U1501.15 ; 103.97,36.74 R1415.1
/Tactile_Board/IO_Expander/TACT_EQZR_B: length 8.2
  Top w0.13: 104.37,36.44 104.3,36.37 104.3,35.04 104.41,34.94 104.41,34.69
  Top w0.2: U1501.14 103.24,31.34 C1408.2 104.03,33.19 104.41,33.57 104.41,34.69 ; 104.37,36.44 105.33,37.4 R1416.1
/Tactile_Board/IO_Expander/TACT_G: length 4.3
  Top w0.2: 102.22,21.94 R1505.1 ; U1501.3 102.24,24.61 J1502.2
  Top w0.4: J1502.2 J1502.1 102.22,21.94
/Tactile_Board/IO_Expander/TACT_PAIR: length 3.9
  Top w0.2: U1501.7 104.47,26.31 C1403.2 107.15,24.87
/Tactile_Board/IO_Expander/TACT_R: length 4.8
  Top w0.2: 100.57,23.77 100.57,23.95 101.74,25.12 U1501.2
  Top w0.4: 100.57,23.77 R1504.1
/Tactile_Board/IO_Expander/TACT_TUNE: length 3
  Top w0.2: R1408.2 107.32,27.09 C1404.2 105.65,27.44 U1501.8
/Tactile_Board/IO_Expander/TACT_VOLUME_A: length 8.7
  Top w0.13: 99.12,36.54 99.12,35.12
  Top w0.2: 99.12,36.54 98.26,37.4 R1413.1 ; U1501.17 101.74,30.59 100.43,31.9 C1405.2 100.43,32.67 99.12,33.98 99.12,35.12
/Tactile_Board/IO_Expander/TACT_VOLUME_B: length 8.7
  Top w0.13: 99.71,35.12 99.66,35.12 99.45,35.32 99.45,36.34 99.61,36.49
  Top w0.2: R1414.1 99.71,36.59 99.61,36.49 ; U1501.16 102.24,31.52 101.54,32.22 101.54,33.2 C1406.2 100.77,33.65 100.09,34.33 100.09,34.74 99.71,35.12
/Tactile_Board/TACT_NINT: length 18.7
  Top w0.2: v1(99.5,27.83) 99.62,27.94 U1501.22 ; v1(99.1,26.18) 98.23,25.31 R1501.1 94.18,24.45 TP1501.1 90.52,26.12 J104.5
  Bottom w0.13: v1(99.5,27.83) 99.5,26.58 v1(99.1,26.18)
Net-(AE801-Pad1): length 7.4
  Top w0.2: C802.2 27.04,15.14 L801.1 ; L802.2 28.24,12.49 27.07,12.49
  Top w0.25: 27.04,12.54 J803.1
  Top w0.381: 27.04,13.73 27.07,13.73
  Top w0.46: J803.1 AE801.1
  Top w0.84: 27.04,12.54 L801.1
Net-(C804-Pad2): length 1.6
  Top w0.2: L802.1 29.55,13.8 C804.2
Net-(D414-A): length 6.1
  Top w0.13: D414.2 8.65,118.72 v1(8.53,118.84)
  Top w0.4: 9.33,120.83 9.33,118.76 11.04,118.76 11.2,118.92
  Bottom w0.13: TP403.1 8.53,118.27 v1(8.53,118.84)
Net-(D417-Pad1): length 2.1
  Top w0.2: R407.2 16.93,142.4 D417.1
Net-(D417-Pad2): length 1.7
  Top w0.2: D417.2 18.09,140.68 R405.2
Net-(D417-Pad3): length 1.8
  Top w0.2: D417.3 19.2,141.29 R403.2
Net-(D501-Pad1): length 2.3
  Top w0.4: R513.2 1.92,18.38 D501.1
Net-(D501-Pad2): length 2.2
  Top w0.4: D501.2 3.21,17.32 R512.2
Net-(D501-Pad3): length 2.6
  Top w0.4: R511.2 5.53,17.35 D501.3
Net-(D801-Pad1): length 2.2
  Top w0.2: R805.2 31.6,21.5 D801.1
Net-(D801-Pad2): length 1.9
  Top w0.2: R803.2 33.47,22.77 D801.2
Net-(D801-Pad3): length 1.9
  Top w0.2: D801.3 35.18,23.4 R801.2
Net-(D1501-Pad1): length 2.4
  Top w0.4: D1501.1 103.92,19.33 R1506.2
Net-(D1501-Pad2): length 2.3
  Top w0.4: R1505.2 102.25,19.17 D1501.2
Net-(D1501-Pad3): length 2.1
  Top w0.2: R1503.2 100.59,18.11
  Top w0.4: D1501.3 102.69,18.1 100.6,18.1 100.59,18.11
Net-(J501-Pin_1): length 11.9
  Top w0.25: v2(46.78,26.73) v2(46.33,27.18) ; 45.23,26.83 45.65,27.25 45.65,27.32
  Top w0.4: D507.4 45.23,26.83 ; 46.05,27.77 45.65,27.37 45.65,27.32
  Top w0.5: 45.23,26.83 46.43,26.83 46.56,26.95
  Top w0.6: 46.05,27.95 46.05,28.89
  Top w0.8: F501.1 44.49,30.45 46.05,28.89
  Bottom w0.2: 46.48,26.93 46.68,26.73 v2(46.78,26.73) ; 46.48,26.93 46.43,26.88 ; 46.48,26.93 46.48,27.03 v2(46.33,27.18)
  Bottom w0.7: 46.43,26.88 46.43,25.15 46.06,24.79 J501.1
Net-(PS501-SW): length 2.2
  Top w0.2: 12.77,20.46 PS501.4
  Top w0.4: 12.72,20.41 12.72,19.08 L501.1 12.54,18.9
Net-(Q1301-PadG): length 2.5
  Top w0.2: 34.02,41.01 R1301.2
  Top w0.4: Q1301.G 34.02,41.01
Net-(R405-Pad1): length 1.3
  Top w0.2: R405.1 17.7,139.1 R406.2
Net-(R407-Pad1): length 1.3
  Top w0.2: R407.1 R408.2
Net-(R512-Pad1): length 1.5
  Top w0.4: R515.2 3.64,14.24 R512.1
Net-(R513-Pad1): length 1.5
  Top w0.4: R513.1 R516.2
Net-(R801-Pad1): length 1.5
  Top w0.2: R802.2 35.32,20.65 R801.1
Net-(R1401-Pad2): length 76.9
  Top w0.2: SW1401.1 133.72,91.99 133.72,82.03 SW1401.1 127.34,75.65 127.34,45.38 125.11,43.15 119.01,43.15 110.88,35.02 R1401.2 R1405.1
Net-(R1402-Pad2): length 94.6
  Top w0.2: SW1402.1 SW1402.1
  Top w0.381: R1402.2 108.73,30.91 R1406.1
  Top w0.4: R1402.2 108.79,31.11 119.2,41.52 125.77,41.52 165.09,80.84 SW1402.1
Net-(R1403-Pad2): length 34.4
  Top w0.13: 109.71,23.74 109.92,23.74 112.33,21.33
  Top w0.2: 112.33,21.33 114.85,18.81 ; R1407.1 107.08,23.74 R1403.2 ; SW1403.1 SW1403.1 SW1403.1 SW1403.1 SW1403.1
  Top w0.381: R1403.2 109.71,23.74
  Top w0.4: 114.85,18.81 SW1403.1
Net-(R1404-Pad2): length 68.4
  Top w0.13: 110.58,24.25 110.58,23.55 112.18,21.94 112.89,21.94
  Top w0.2: R1404.2 108.75,26.94 110.58,25.11 110.58,24.25
  Top w0.25: R1404.2 107.7,27.85 R1408.1
  Top w0.381: SW1404.1 156.67,21.94 112.89,21.94
Net-(R1409-Pad2): length 50.5
  Top w0.2: SW1405.A 88.11,46.76 96.34,38.54 R1409.2 R1413.2
Net-(R1410-Pad1): length 49.3
  Top w0.2: SW1405.B 99.71,77.11 R1414.2 101.12,38.54 R1410.1
Net-(R1411-Pad2): length 28.8
  Top w0.2: R1411.2 R1415.2 103.97,40 115.52,51.54 SW1406.A
Net-(R1412-Pad1): length 23.7
  Top w0.2: R1416.2 106.72,38.53 R1412.1 106.77,39.64 113.67,46.54 SW1406.B
Net-(R1503-Pad1): length 1.6
  Top w0.4: R1503.1 R1504.2
Net-(SW501-C): length 27.1
  Top w0.15: D507.2 45.01,25.75 46.85,25.75
  Top w0.2: R506.1 38.2,23.66 v3(38.2,22.89) ; SW501.3 42.87,17.86 45.39,17.86 45.39,19.56 46.4,20.58 46.4,24.7 45.27,25.83 D507.2 ; 46.85,25.75 v3(47.32,26.22)
  In2.Cu w0.2: v3(47.32,26.22) 43.99,22.89 v3(38.2,22.89)
Net-(U402-NRST): length 3.3
  Top w0.2: U402.7 14.59,126.07 C409.2
Net-(U402-VREG): length 3.3
  Top w0.13: U402.6 12.66,125.61 12.92,125.35
  Top w0.2: C408.2 13.55,124.72 12.92,125.35
  Top w0.3: 12.66,125.68 U402.6
  Top w0.381: C408.2 13.62,124.72
  Top w0.4: C407.2 C408.2
Net-(U601-CPF_N): length 3.6
  In2.Cu w0.2: v2(13.35,34.58) 13.35,34.81 11.83,36.34 11.83,37.59
  vias: v5(11.73,37.7)
Net-(U601-CPF_P): length 4
  Top w0.18: 12.06,37.43 12.06,36.79
  Top w0.2: U601.D2 12.06,37.43 ; C613.2 14.27,34.58 12.06,36.79
Net-(U601-CPR_N): length 2.6
  Top w0.18: U601.C1 11.7,36.58 11.73,36.55 ; C618.2 11.73,34.68
  Top w0.2: 11.73,34.68 11.73,36.55
Net-(U601-CPR_P): length 2.7
  Top w0.2: C617.2 10.65,34.79 10.65,36.83 U601.A1
Net-(U601-DACREF): length 3.7
  Top w0.2: C614.2 8.33,37.93 9.3,37.93 10.07,38.7 U601.A7
Net-(U601-MIC1_N): length 5.3
  In2.Cu w0.2: v2(15.38,43.18) 14.19,41.99 v2(14.19,41.31) 12.66,41.31 12.3,40.95 U601.B16
  vias: v5(11.35,40.95)
Net-(U601-MIC1_P): length 6.2
  Top w0.2: U601.C17 11.7,43.28 C608.1
  Top w0.4: C608.1 11.87,46.1 C607.1
Net-(U601-VDIG): length 2.3
  Top w0.2: C619.2 14.16,40.06 12.15,40.06 U601.D12
Net-(U601-VMID): length 2.2
  Top w0.2: U601.A9 9.4,39.2 C615.2
Net-(U601-VREF): length 2.5
  In2.Cu w0.09: U601.B8 11.16,38.95
  In2.Cu w0.2: 11.16,38.95 9.36,38.95 v2(8.97,38.56)
  vias: v5(11.34,38.95)
Net-(U701-XTAL_32K_P): length 5.8
  Top w0.13: U701.21 20.55,24.04 v3(20.52,24.01)
  In2.Cu w0.13: v2(20.24,27.84) 20.37,27.84 21.49,26.73 21.49,26.17 20.52,25.2 v3(20.52,24.01)
Net-(U1001-REGOUT): length 1.7
  Top w0.2: C1004.2 21.9,35.85 U1001.10
Net-(U1501-NRST): length 30.6
  Top w0.2: v1(99.4,23.46) 99.4,23.32 98.14,22.06 95.05,22.06 R1502.1 ; U1501.24 100.52,25.94 v1(99.4,24.83) ; v1(94.45,20.22) 94.39,20.28
  Top w0.4: 94.39,20.28 R1502.1 ; SW1501.1 SW1501.1 94.47,15.37 94.47,18.7 v1(94.45,18.72)
  Bottom w0.13: v1(99.4,23.46) v1(99.4,24.83)
  Bottom w0.2: v1(94.45,18.72) v1(94.45,20.22)

## Copper pours and planes (outline as drawn; the poured copper is in the pictures)
/Main_Board/+2V5 on In3.Cu: 8.94,29.57 8.89,33.48 10.44,33.92 10.41,41.13 11.17,42.65 11.17,43.72 9.9,43.72 8.15,41.33 8.15,36.84 7.49,32.82 7.49,29.6
/Main_Board/+3V3 on Top: 31.36,33.67 31.36,35.6 29.88,38.8 29.45,38.8 29.45,36.94 26.63,35.29 26.63,33.97 30.11,33.97 30.47,33.67
/Main_Board/+3V3 on Top: 15.08,24.83 15.08,24.07 14.96,23.18 14.96,22.55 15.59,22.55 15.59,23.18 16.48,23.95 17.37,23.95 17.37,24.2 16.48,24.2 15.72,24.83
/Main_Board/+3V3 on Top: 22.45,18.47 22.45,17.61 23.06,16.67 23.06,14.94 24.31,14.94 24.31,17.15 23.06,18.47
/Main_Board/+3V3 on Top, In2.Cu: 46.53,13.42 45.18,13.42 45.18,11.64 44.27,10.93 44.27,10.06 46.5,10.06 47.7,8.59 48.51,8.59 48.51,9.48 48.26,10.65 48.23,11.74
/Main_Board/+3V3 on Top, In2.Cu: 16.71,30.5 18.1,30.5 18.1,32.4 23.9,32.4 23.9,38.32 19.63,38.32 16.71,33.98
/Main_Board/MCU/VDD3P3 on Top: 23.38,19.19 24.23,19.19 25.19,19.36 27.02,19.36 27.02,20.07 25.16,20.07 24.23,19.78 23.38,19.78
GND on Top: 21.96,126.9 27.11,126.7 27.11,102.8 179.63,102.99 179.51,144.5 29.56,144.5 21.72,135.37
GND on Top, Bottom: 28.46,144.7 -0.51,144.84 -0.58,102.66 27.51,102.75 27.46,126.2 17.5,126.07 16.03,126.68 14.4,126.76 14.4,130.75 10.72,130.85 10.8,132.37 14.53,132.68 17.45,134.51 21.11,136.41
GND on Top, Bottom: 79.59,99.97 180.56,99.97 180.56,-1 79.59,-1
GND on Top, Bottom, In1.Cu, In2.Cu, In3.Cu, In4.Cu: 31.38,11.21 27.87,11.21 27.87,11.84 28.86,11.84 31.39,12.25
GND on Top, Bottom, In1.Cu, In2.Cu, In3.Cu, In4.Cu: 47.59,47.4 47.6,51.18 43.7,53.53 17.9,53.33 17.85,51.68 19.1,51.08 20.1,51.63 42.85,51.53 43.7,50.38 43.75,47.43
GND on Top, Bottom, In1.Cu, In2.Cu, In3.Cu, In4.Cu: 0.71,11.97 6,12 7.35,11.2 20.93,11.23 24.48,11.23 24.48,11.74 20.93,11.74 19.66,12.5 17.5,15.85 18.9,15.85 18.9,16.72 20.39,16.82 20.98,16.9 20.98,16.17 19.28,16.12 19.28,13.77 21.03,12 23.3,12.35 24.23,12.35 24.23,14.57 22.48,14.6 22.48,16.87 22.25,17.1 22.25,18.47 22.45,18.47 22.45,17.6 23.05,16.67 23.05,14.95 25.3,14.95 25.3,17.05 23.49,18.01 23.38,18.77 23.38,19.17 25.22,19.26 26.92,19.26 27.48,18.65 29.11,18.55 29.31,16.82 29.31,14.79 31.85,14.28 31.85,12.76 31.39,12.25 31.38,11.21 43.98,11.23 43.98,8.9 47.2,8.9 47.78,8.65 50.21,8.67 50.15,46.92 39.33,46.95 39.3,51.21 20.3,51.21 20.33,46.05 14.8,44.07 13.35,42.42 11.03,42.42 11.03,44.87 9.42,44.9 9.42,43.39 7.52,40.98 7.52,38.69 0.86,38.69
GND on Bottom: 13.26,127.4 16.06,127.4 17.16,126.6 23.36,126.6 24.56,127.5 24.36,134.2 21.96,135 19.56,135 18.66,134.8 14.76,132.3 12.26,132.2 11.06,131 11.06,130.1
GND on Bottom: 39.01,144.57 38.71,124.88 26.98,119.47 26.91,102.4 180.61,102.05 180.51,144.8
GND on In1.Cu: 13.48,43.5 14.4,44.47 14.4,45.85 14.85,45.85 14.85,48.75 19.03,48.75 19.1,51.08 18.23,53.32 15.59,53.32 12.93,53.32 12.93,48.12 10.23,48.12 10.23,45.95 11.38,45.95 11.38,43.07 11.55,42.4 11.86,42.4 12.11,43.06 13.48,43.07
/Main_Board/Regulators/SYS_PWR on In2.Cu: 11.78,28.64 11.78,27.37 13.31,24.07 13.31,21.41 10.64,21.41 10.64,23.31 7.97,23.69 7.97,24.58 9.5,24.58 10.64,28.64

## Text on the board
B.Silkscreen: JLCJLCJLCJLC | REV 1
F.Silkscreen: Reset | Boot | ~ | B | Pair | Cycle | une | Confirm | Volume | Adjust | Boop | Beep
User.6: No | Yes
